# KiCad board MatrixBuddyPCBBrainOnly.kicad_pcb
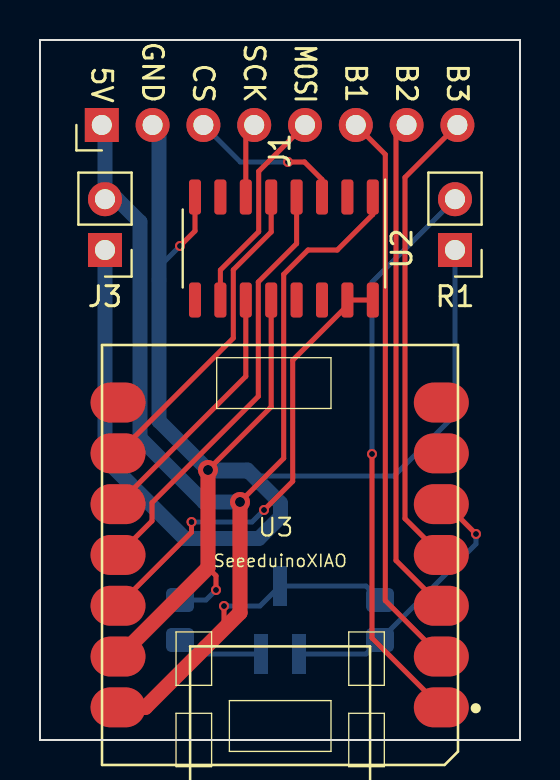
[diagram p0: board, top side]
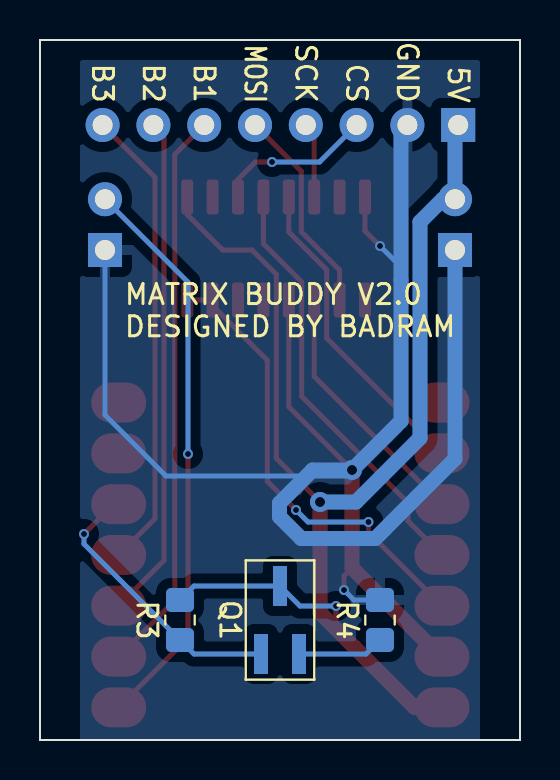
[diagram p1: board, bottom side, seen from below]

Outline 24 x 35 mm; copper layers: Top, Bottom. Coordinates in mm from the lower left corner of the outline.
Outline path: 18.5,35 5.5,35 ; 0,35 0,0 24,0 24,35 0,35
Stack: Top 0.035mm / dielectric 1.51mm FR4 er 4.5 / Bottom 0.035mm

## Placement (name value [footprint] x y rotation side)
J1  Conn_01x08_Pin  [PinHeader_1x08_P2.54mm_Horizontal]  3.09 30.75 90 top
J3  BATT Connector  [PinHeader_1x02_P2.54mm_Vertical]  3.25 24.5 180 top
Q1  Q_PMOS_GSD  [SOT-23W_Handsoldering]  12 6 90 bottom
R1  R_Photo  [PinHeader_1x02_P2.54mm_Vertical]  20.75 24.5 180 top
R3  100k  [R_0805_2012Metric_Pad1.20x1.40mm_HandSolder]  17 6 90 bottom
R4  22  [R_0805_2012Metric_Pad1.20x1.40mm_HandSolder]  7 6 90 bottom
REF**  -  [Tab]  22 -0.5 90 top
REF**#2  -  [Tab]  2 -0.5 90 top
U2  4104  [SO-16_3.9x9.9mm_P1.27mm]  12.19 24.58 270 top
U3  SeeeduinoXIAO  [Seeeduino XIAO-MOUDLE NO-BOTTOM-CONNECTIONS]  12 19.75 180 top

## Library data of the parts
J1 = -: Description: Generic connector, single row, 01x08, script generated
J3 = -: Description: Generic connector, single row, 01x02, script generated
Q1 = -: Description: P-MOSFET transistor, gate/source/drain
R1 = -: Description: Photoresistor
R3 R4 = -: Description: Resistor, US symbol

## Footprints (pads in the part's own frame, mm; a bottom-side part is the same pattern mirrored in y, then rotated)
PinHeader_1x02_P2.54mm_Vertical
  rect 1.7x1.7 hole 1: 1(0,0)
  oval 1.7x1.7 hole 1: 2(0,-2.54)
PinHeader_1x08_P2.54mm_Horizontal
  rect 1.7x1.7 hole 1: 1(0,0)
  oval 1.7x1.7 hole 1: 2(0,-2.54) 3(0,-5.08) 4(0,-7.62) 5(0,-10.16) 6(0,-12.7) 7(0,-15.24) 8(0,-17.78)
R_0805_2012Metric_Pad1.20x1.40mm_HandSolder
  rrect 1.2x1.4 smd: 1(-1,0) 2(1,0)
Seeeduino XIAO-MOUDLE NO-BOTTOM-CONNECTIONS
  oval 2.748x1.999 smd: 1(-8.066,18.118) 2(-8.066,15.578) 3(-8.066,13.038) 4(-8.066,10.498) 5(-8.066,7.958) 6(-8.066,5.418) 7(-8.066,2.878) 8(8.099,2.878) 9(8.099,5.418) 10(8.099,7.958) 11(8.099,10.498) 12(8.099,13.038) 13(8.099,15.578) 14(8.099,18.118)
SO-16_3.9x9.9mm_P1.27mm
  rrect 1.75x0.6 smd: 1(-2.575,4.445) 2(-2.575,3.175) 3(-2.575,1.905) 4(-2.575,0.635) 5(-2.575,-0.635) 6(-2.575,-1.905) 7(-2.575,-3.175) 8(-2.575,-4.445) 9(2.575,-4.445) 10(2.575,-3.175) 11(2.575,-1.905) 12(2.575,-0.635) 13(2.575,0.635) 14(2.575,1.905) 15(2.575,3.175) 16(2.575,4.445)
SOT-23W_Handsoldering
  rect 2x0.7 smd: 1(-1.7,0.95) 2(-1.7,-0.95) 3(1.7,0)

## Nets
/3V3: U2.15 U2.16 U3.12
/5V_B2: J1.1 J3.2 Q1.3 R3.2 U2.1 U3.14
/GND_B2: J1.2 J3.1 R1.1 R4.2 U2.8 U2.12 U3.13
/BUTT1_B2: J1.6 U3.2
/BUTT2_B2: J1.7 U3.3
/BUTT3_B2: J1.8 U3.4
/CS_5V_B2: J1.3 U2.3
/CS_B2: U2.11 U3.10
/MOSI_5V_B2: J1.5 U2.10
/MOSI_B2: U2.4 U3.11
/PHOTO_SENSE: R1.2 U3.1
/SCK_5V_B2: J1.4 U2.6
/SCK_B2: U2.5 U3.9
Net-(Q1-G): Q1.1 R3.1 U3.5
Net-(Q1-S): Q1.2 R4.1

Pads without a net: U2 2 7 9 13 14; U3 6 7 8

## Via types
v1: diameter 0.5, hole 0.3, Top to Bottom, 8 vias
v2: diameter 1, hole 0.5, Top to Bottom, 2 vias

## Routing (per net, layer and track width the routed paths; a pad name or vN(x,y) marks a point on that pad's centre or on a via; arc(x,y) is an arc through that point)
/3V3: length 23.1
  Top w0.25: v1(7.58,10.9) 7.58,10.39 U3.12 ; v1(11.2,11.5) 12.64,12.94 12.64,18.99 15.37,21.72 U2.15 U2.16
  Bottom w0.25: v1(11.2,11.5) 10.6,10.9 v1(7.58,10.9)
/5V_B2: length 65.4
  Top w0.25: v2(10,11.9) 12.19,14.09 12.19,23.28 13.4,24.5 14.86,24.5 16.64,26.28 U2.1 ; v1(9.2,6.7) 9.2,5.56
  Top w0.5: 3.25,30.59 J1.1
  Top w0.75: U3.14 5.27,1.63 10,6.36 v2(10,11.9)
  Bottom w0.25: R3.2 16.3,7.7 Q1.3 11,6.7 v1(9.2,6.7)
  Bottom w0.75: J1.1 3.25,30.59 J3.2 3.86,27.04 5,25.9 5,15.1 8.2,11.9 v2(10,11.9)
/GND_B2: length 95.3
  Top w0.25: U2.12 11.56,16.66 v2(8.4,13.5) ; 8.4,8.61 8.8,8.21 v1(8.8,7.5) ; v1(7,24.7) 7.75,25.45 U2.8
  Top w0.75: U3.13 3.96,4.17 8.4,8.61 v2(8.4,13.5)
  Bottom w0.25: v1(8.8,7.5) 8.3,7 R4.2 ; v2(8.4,13.5) 8.7,13.2 17.7,13.2 20.75,16.25 R1.1 ; v1(7,24.7) 5.95,23.65
  Bottom w0.75: J3.1 3.25,14.06 7.23,10.07 10.94,10.07 12.03,11.16 12.03,11.84 10.37,13.5 v2(8.4,13.5) 5.95,15.95 5.95,30.43 J1.2
/BUTT1_B2: length 28.3
  Top w0.25: J1.6 17.27,29.28 17.27,6.97 U3.2
/BUTT2_B2: length 25.2
  Top w0.25: U3.3 17.8,8.98 17.8,30.22 J1.7
/BUTT3_B2: length 23.3
  Top w0.25: U3.4 18.25,11.07 18.25,28.13 J1.8
/CS_5V_B2: length 7.9
  Top w0.25: U2.3 14.1,28.03 13.22,28.9 v1(12.4,28.9)
  Bottom w0.25: v1(12.4,28.9) 10.02,28.9 J1.3
/CS_B2: length 12.9
  Top w0.25: U2.11 10.29,18.18 U3.10
/MOSI_5V_B2: length 10.5
  Top w0.25: U2.10 9.02,23.5 10.94,25.41 10.94,28.44 J1.5
/MOSI_B2: length 21.6
  Top w0.25: U2.4 12.83,24.82 10.92,22.9 10.92,17.18 5.6,11.87 5.6,10.95 U3.11
/PHOTO_SENSE: length 28.6
  Top w0.25: U3.1 16.6,5.1 v1(16.6,14.3)
  Bottom w0.25: R1.2 16.6,22.89 v1(16.6,14.3)
/SCK_5V_B2: length 3.8
  Top w0.25: U2.6 10.29,30.33 J1.4
/SCK_B2: length 16
  Top w0.25: U2.5 11.56,25.4 9.67,23.51 9.67,20.1 U3.9
Net-(Q1-G): length 14
  Top w0.25: v1(21.8,10.3) 20.31,11.79 U3.5
  Bottom w0.25: Q1.1 16.3,4.3 R3.1 21.8,9.8 v1(21.8,10.3)
Net-(Q1-S): length 4.3
  Bottom w0.25: Q1.2 7.7,4.3 R4.1

## Copper pours and planes (outline as drawn; the poured copper is in the pictures)
/GND_B2 on Bottom: 2,34 22,34 22,-1.5 2,-1.5

## Text on the board
B.Silkscreen: MOSI | GND | CS | SCK | B1 | B2 | B3 | MATRIX BUDDY V2.0 / DESIGNED BY BADRAM | 5V
F.Silkscreen: MOSI | 5V | GND | CS | SCK | B1 | B2 | B3
